# KiCad board 75he.kicad_pcb (continued)
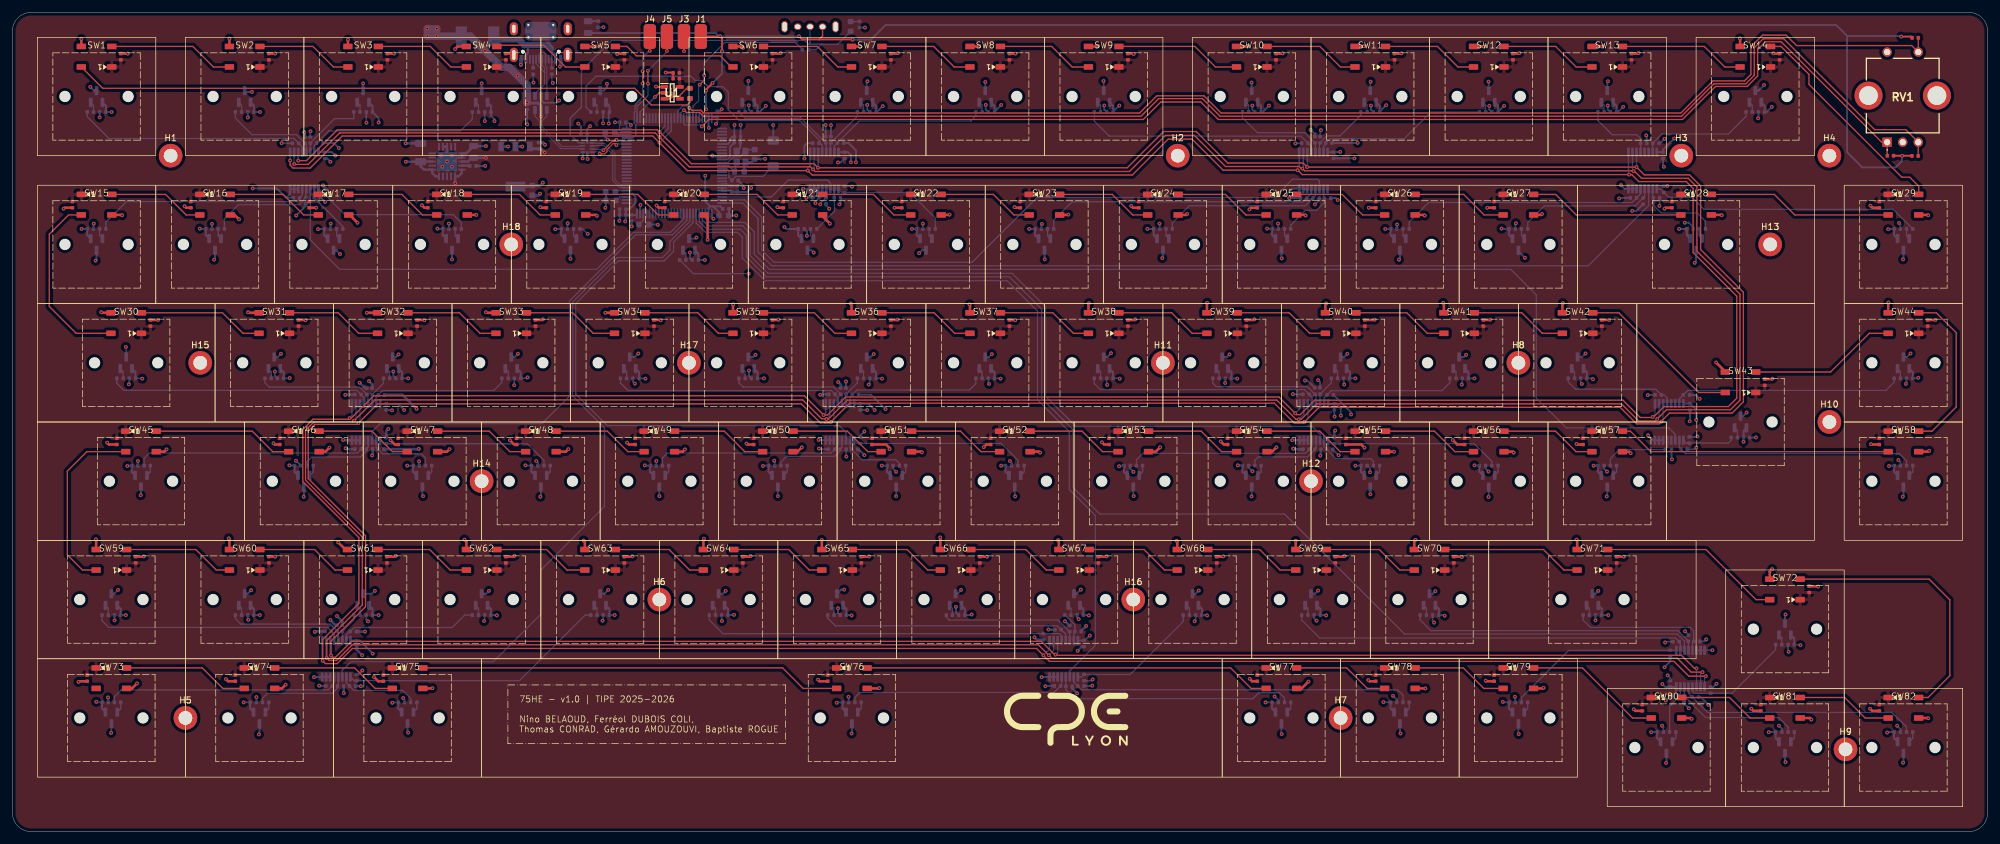
[diagram p0: board, top side]
## Routing (per net, layer and track width the routed paths; a pad name or vN(x,y) marks a point on that pad's centre or on a via; arc(x,y) is an arc through that point) (continued)
K20_OUT: length 32.4
  In2.Cu w0.2: v1(118.39,89.79) 121.02,89.79 125.2,93.96 125.2,95.91 129.89,100.6 v1(129.89,100.95)
  Bottom w0.2: v1(129.89,100.95) 129.89,101.09 C65.2 130.85,102.05 M1.4 ; v1(118.39,89.79) 109.48,89.79 R28.2
K21_OUT: length 7.6
  Bottom w0.2: M1.2 132.15,102.01 C66.2 132.15,99.81 R29.2
K22_OUT: length 19.3
  Bottom w0.2: R30.2 148.38,98.74 144.24,102.87 C67.2 133.39,102.87 M1.1
K23_OUT: length 45.4
  Bottom w0.2: R31.2 167.43,98.42 170.36,101.35 207.5,101.35 C68.2 208.84,102.68 M2.5 ; 208.92,103.57 208.92,103.56
K24_OUT: length 26.9
  Bottom w0.2: R32.2 186.48,97.95 189.24,100.71 207.88,100.71 C69.2 209.49,102.32 M2.4
K25_OUT: length 9.8
  Bottom w0.2: R33.2 205.53,97.59 207.93,99.99 209.68,99.99 210.95,101.26 C78.2 210.79,102.09 M2.2 ; 210.79,101.95 210.81,101.94
K26_OUT: length 41.3
  Bottom w0.2: 261.82,103.7 261.67,103.54 ; M3.5 261.78,102.63 C79.2 260.38,101.24 227.7,101.24 224.58,98.12 R34.2
K27_OUT: length 22.8
  Bottom w0.2: M3.4 262.43,102.22 C80.2 260.9,100.69 246.3,100.69 243.62,98.02 R35.2
K28_OUT: length 13.4
  Bottom w0.2: R36.2 272.2,98.22 270.87,99.56 265.09,99.56 263.84,100.81 C81.2 263.73,102.11 M3.2
K29_OUT: length 43.9
  Bottom w0.2: 264.3,103.57 264.3,103.56 ; R37.2 302.38,100.14 271.97,100.14 270.03,102.09 266.25,102.09 265.5,102.85 C82.2 264.9,103.46 M3.1
K30_OUT: length 42.5
  Bottom w0.2: R38.2 16.79,72.13 17.92,71 55.39,71 C83.2 56.06,70.3 56.53,69.84 56.53,68.85
K31_OUT: length 19.5
  Bottom w0.2: R39.2 40.6,72.23 41.3,71.53 55.84,71.53 56.97,70.39 C84.2 57.18,70.12 57.18,68.85
K32_OUT: length 4.8
  Bottom w0.2: R40.2 59.65,72.14 C85.2 57.83,70.32 57.83,68.85
K33_OUT: length 22.9
  Bottom w0.2: 58.48,68.85 58.48,69.93 C94.2 59.54,70.99 77.39,70.99 78.7,72.29 R41.2
K34_OUT: length 38
  Bottom w0.2: 132.72,68.85 132.72,69.87 132.27,70.32 C95.2 131.66,70.98 98.97,70.98 97.75,72.2 R42.2 ; 132.83,68.61 132.59,68.84
K35_OUT: length 19.5
  Bottom w0.2: 133.37,68.85 133.37,70.16 C96.2 133.15,70.44 132.05,71.54 117.48,71.54 116.8,72.22 R43.2
K36_OUT: length 4.8
  Bottom w0.2: R44.2 135.85,72.2 C97.2 134.03,68.86 134.02,68.85
K37_OUT: length 23.1
  Bottom w0.2: 134.67,68.85 134.67,69.94 C98.2 135.79,71.06 153.87,71.06 154.9,72.09 R45.2
K38_OUT: length 37.8
  Bottom w0.2: 208.94,68.85 208.94,69.91 C99.2 207.73,71.13 174.91,71.13 173.95,72.08 R46.2
K39_OUT: length 19.5
  Bottom w0.2: R47.2 193,72.14 193.54,71.61 208.19,71.61 C100.2 209.59,70.2 209.59,68.85
K40_OUT: length 4.8
  Bottom w0.2: R48.2 212.05,72.21 C101.2 210.24,68.85 210.24,68.85
K41_OUT: length 22.9
  Bottom w0.2: 210.89,68.85 210.89,69.79 C110.2 212.05,70.95 229.84,70.95 231.1,72.21 R49.2
K42_OUT: length 18.5
  Bottom w0.2: R50.2 250.15,72.35 251.31,71.2 264.19,71.2 C111.2 265.53,70.28 266.05,69.76 266.05,68.85
K43_OUT: length 8.5
  Bottom w0.2: M4.1 269.1,62.52 C112.2 275.88,62.52 276.34,62.99 R51.2
K44_OUT: length 37.1
  Bottom w0.2: R52.2 302.54,72.32 301.21,70.99 269.35,70.99 C113.2 268,69.64 268,68.85
K45_OUT: length 38.5
  Bottom w0.2: 56.06,61.65 56.53,62.12 M10.5 ; 56.06,61.65 C114.2 55.42,60.92 22.04,60.92 21.17,60.04 R53.2 ; 56.06,61.65 56.06,61.55 ; 56.62,63.11 56.62,63.05
K46_OUT: length 12.7
  Bottom w0.2: M10.4 57.18,61.83 C115.2 56.91,61.25 55.92,60.27 48.08,60.27 47.36,59.54 R54.2
K47_OUT: length 11
  Bottom w0.2: R55.2 66.41,60.1 65.71,60.8 59.49,60.8 C116.2 58.48,61.81 M10.2
K48_OUT: length 28.5
  Bottom w0.2: 59.13,62.97 59.71,62.4 C117.2 82.8,62.4 85.46,59.74 R56.2
K49_OUT: length 31.2
  Bottom w0.2: R57.2 104.51,60.12 105.3,60.91 131.58,60.91 C126.2 132.2,61.61 132.72,62.14 M8.5
K50_OUT: length 12.7
  Bottom w0.2: R58.2 123.56,59.48 124.48,60.4 132.22,60.4 133.05,61.22 C127.2 133.37,61.85 M8.4
K51_OUT: length 10.6
  Bottom w0.2: M8.2 134.67,61.75 C128.2 136.59,59.84 142.03,59.84 142.61,59.25 R59.2
K52_OUT: length 28.6
  Bottom w0.2: R60.2 161.66,59.77 158.96,62.47 C129.2 135.82,62.47 M8.1
K53_OUT: length 31.1
  Bottom w0.2: M5.5 208.94,62.02 208.49,61.57 C130.2 207.85,60.88 181.78,60.88 180.71,59.81 R61.2
K54_OUT: length 12.8
  Bottom w0.2: M5.4 209.59,61.73 C131.2 209.38,61.46 208.21,60.3 200.33,60.3 199.76,59.73 R62.2
K55_OUT: length 10.6
  Bottom w0.2: R63.2 218.81,59.59 218.42,59.99 212.83,59.99 C132.2 210.89,61.92 M5.2
K56_OUT: length 28.4
  Bottom w0.2: M5.1 212.09,62.42 C133.2 235.02,62.42 237.86,59.58 R64.2
K57_OUT: length 12.2
  Bottom w0.2: R65.2 256.91,60.01 258.38,61.48 C142.2 266.05,61.79 M4.5
K58_OUT: length 39.4
  Bottom w0.2: M4.2 268,61.8 C143.2 268.99,60.81 303.38,60.81 304.54,59.64 R66.2
K59_OUT: length 40.2
  Bottom w0.2: M9.12 51.74,31.73 51.27,32.19 C144.2 51.27,32.26 50.68,32.85 15.49,32.85 14.4,33.94 14.4,34.84 R67.2 ; 51.33,32.14 51.33,32.21
K60_OUT: length 19.4
  Bottom w0.2: R68.2 35.84,34.27 36.72,33.39 51.08,33.39 52.19,32.27 C145.2 52.39,32.01 M9.13
K61_OUT: length 4.9
  Bottom w0.2: M9.14 53.04,32.2 C146.2 54.89,34.05 R69.2
K62_OUT: length 22.5
  Bottom w0.2: R70.2 72.69,34.84 70.7,32.84 54.96,32.84 C147.2 54.19,32.19 53.69,31.69 M9.15
K63_OUT: length 43.3
  Bottom w0.2: M9.1 54.93,24.29 C148.2 81.52,24.29 92.06,34.84 R71.2
K64_OUT: length 59.3
  Bottom w0.2: R72.2 112.04,34.05 114.23,31.86 C149.2 168.35,31.86 168.7,31.5 M7.12
K65_OUT: length 40.8
  Bottom w0.2: M7.13 169.35,31.75 C158.2 167.99,33.11 132.31,33.11 131.09,34.33 R73.2
K66_OUT: length 22.7
  Bottom w0.2: 169.83,32.2 170,32.02 M7.14 ; R74.2 150.14,34.49 150.59,34.05 168.11,34.05 C159.2
K67_OUT: length 5
  Bottom w0.2: 169.27,34.84 R75.2 169.25,34.84 170.83,33.26 C160.2 170.65,32.02 M7.15 170.69,30.79
K68_OUT: length 21.7
  Bottom w0.2: R76.2 188.24,33.81 179.7,25.28 172.26,25.28 171.85,24.87 M7.1
K69_OUT: length 64.4
  Bottom w0.2: 207.28,34.82 R77.2 207.29,34.05 210.17,31.16 267.37,31.16 C162.2 268.17,30.36 M6.2
K70_OUT: length 46.8
  Bottom w0.2: M6.4 269.47,30.59 C163.2 269.44,30.68 267.79,32.34 228.05,32.34 226.34,34.05 R78.2
K71_OUT: length 22.5
  Bottom w0.2: M6.5 270.12,30.43 C164.2 270.31,32.32 269.76,32.86 253.72,32.86 252.53,34.05 R79.2
K72_OUT: length 17.9
  Bottom w0.2: R80.2 283.49,29.28 276.47,22.27 C165.2 273.03,22.25 270.41,22.25 270.12,22.54 M6.12
K73_OUT: length 38.2
  Bottom w0.2: R81.2 16.41,21.71 17.5,22.8 50.77,22.8 C168.2 51.41,23.6 51.74,23.94 M9.5 ; 51.82,25 51.83,24.99
K74_OUT: length 15.2
  Bottom w0.2: M9.4 52.39,23.53 C169.2 52.27,23.12 51.39,22.25 41,22.25 40.22,21.46 R82.2
K75_OUT: length 13
  Bottom w0.2: M9.2 53.69,23.92 C178.2 54.9,22.71 62.73,22.71 64.03,21.41 R83.2
K76_OUT: length 36.2
  Bottom w0.2: 168.75,25.1 168.68,25.17 ; M7.5 168.7,23.61 C179.2 167.47,22.39 136.28,22.39 135.47,21.58 R84.2
K77_OUT: length 39.3
  Bottom w0.2: 169.35,23.46 169.39,23.43 ; R85.2 204.53,21.49 203.69,22.33 200.37,22.33 199.43,21.39 170.83,21.39 169.39,22.83 C180.2 169.35,23.41 M7.4
K78_OUT: length 55.8
  Bottom w0.2: M7.2 170.65,24.07 C181.2 171.9,22.82 222.71,22.82 223.58,21.96 R86.2
K79_OUT: length 28.8
  Bottom w0.2: 267.52,29.36 267.51,29.35 ; R87.2 242.62,21.58 250.22,29.17 C182.2 266.55,29.17 M6.1
K80_OUT: length 8
  Bottom w0.2: M6.15 268.17,22.2 C183.2 267.82,21.54 266.44,20.16 R88.2
K81_OUT: length 21.1
  Bottom w0.2: M6.14 268.82,21.93 C184.2 272.23,18.35 283.95,18.35 285.49,16.81 R89.2
K82_OUT: length 39.1
  Bottom w0.2: R90.2 304.54,16.81 302.18,19.18 272.55,19.18 C185.2 269.47,22.25 M6.13
LED_DATA: length 6.2
  Top w0.2: U1.2 103.98,118.89 v1(103.3,118.21)
  Bottom w0.2: U2.77 100.92,115.84 v1(103.3,118.21)
LED_DATA_5V: length 2.6
  Top w0.2: R92.1 108.42,119.61 107.33,118.51 U1.4
M1_OUT: length 19.6
  Bottom w0.2: M1.3 131.5,104.39 131.05,104.84 124.73,104.84 122.02,102.14 U2.23
M2_OUT: length 110.2
  Bottom w0.2: M2.3 210.14,104.72 209.9,104.97 205.8,104.97 202.88,102.05 164.74,102.05 154.33,91.64 122.42,91.64 120.48,93.58 120.48,98.88 117.73,101.64 U2.24
M3_OUT: length 163
  Bottom w0.2: M3.3 263.08,100.76 253.38,91.06 122.09,91.06 119.89,93.27 119.89,98.67 117.42,101.14 U2.25
M4_OUT: length 183.9
  Bottom w0.2: M4.3 267.35,63.91 266.29,64.97 249.82,64.97 245,69.79 245,86.37 240.91,90.47 121.7,90.47 119.27,92.9 119.27,96.52 117.74,98.04 112.02,98.04 111.42,98.63 U2.28
M5_OUT: length 126.2
  Bottom w0.2: U2.29 110.92,98.44 111.89,97.48 117.42,97.48 118.62,96.28 118.62,92.65 121.43,89.84 160.74,89.84 166.12,84.46 166.12,70.07 170.96,65.23 208.97,65.23 210.24,63.95 M5.3
M6_OUT: length 205
  Bottom w0.2: U2.30 110.42,98.18 111.67,96.93 117.02,96.93 118.01,95.95 118.01,92.5 121.23,89.27 160.3,89.27 165.48,84.09 165.48,69.74 170.55,64.67 170.55,55.37 174.8,51.12 204.51,51.12 223.84,31.79 267.68,31.79 268.82,30.65 M6.3
M7_OUT: length 128.7
  Bottom w0.2: M7.3 170,25.86 174.11,29.97 174.11,50.87 169.92,55.06 169.92,64.36 164.81,69.47 164.81,83.76 159.92,88.65 120.99,88.65 117.34,92.3 117.34,95.66 116.56,96.44 111.42,96.44 109.92,97.94 U2.31
M8_OUT: length 88.5
  Bottom w0.2: M8.3 134.02,64.24 132.93,65.34 95.62,65.34 90.56,70.4 90.56,84.99 97.41,91.84 104.77,91.84 106.3,93.36 106.3,94.86 109.42,97.99 U2.32
M9_OUT: length 119.7
  Bottom w0.2: 108.87,99.46 U2.33 108.92,98.19 105.73,94.99 105.73,93.59 104.52,92.39 97.24,92.39 90.08,85.22 90.08,70.09 95.19,64.98 95.19,52.32 84.92,42.06 84.92,34.94 77.33,27.34 54.41,27.34 53.04,25.97 M9.3
M10_OUT: length 76.2
  Bottom w0.2: U2.34 108.42,98.34 106.12,96.04 100.19,96.04 89.56,85.41 89.56,70.08 85.12,65.64 59.11,65.64 57.83,64.35 M10.3
M11_OUT: length 74.5
  Bottom w0.2: U2.35 107.92,98.54 105.83,96.44 99.88,96.44 93.92,90.49 52.61,90.49 47.9,95.2 M11.3
M_SEL_0: length 810.9
  Top w0.2: v1(208.16,106.95) 208.18,106.93 261.1,106.93 v1(261.11,106.94) 262.36,105.69 269.63,105.69 271.43,103.9 271.43,93.67 278.31,86.79 278.31,69.17 276.49,67.35 266.43,67.35 265.13,66.05 v1(265.13,65.97) 264.76,65.61 261.16,65.61 258.49,68.28 210.09,68.28 207.75,65.94 v1(207.73,65.94) 207.53,65.74 206.09,65.74 202.9,68.94 134.62,68.94 131.62,65.95 v1(131.62,65.94) 131.48,65.79 131.12,65.79 131.11,65.78 130.62,65.78 130.62,65.79 129.89,65.79 126.83,68.84 58.72,68.84 v1(55.62,65.74) 55.42,65.54 48.62,65.54 47.55,64.47 47.55,56.82 56.77,47.6 56.77,36.19 51.22,30.64 v1(51.22,28.34) 51.52,28.04 51.92,28.04 54.49,30.61 165.44,30.61 167.56,28.48 v1(167.72,28.48) 167.83,28.37 268.34,28.37 270.44,26.26 v1(270.77,26.26) ; v1(208.16,106.95) 207.98,106.95 ; v1(208.16,106.95) 207.51,107.6 195.39,107.6 190.33,112.66 185.08,112.66 179.25,106.83 v1(129.51,106.83) ; v1(129.51,106.83) 129.61,106.92 ; v1(129.51,106.83) 128.86,107.48 109.18,107.48 104.1,112.56 v1(104.05,112.56) 103.68,112.94 52.23,112.94 47.27,107.98 v1(45.95,107.98)
  Bottom w0.2: U2.85 104.92,113.54 104.05,112.66 v1(104.05,112.56) ; 208.19,109.33 208.19,106.98 v1(208.16,106.95) ; v1(131.62,65.94) 132.07,66.38 132.07,68.85 ; v1(167.72,28.48) 167.72,28.6 167.67,28.64 ; v1(167.72,28.48) 168.05,28.81 M7.11 ; v1(167.72,28.48) 167.67,28.52 ; 208.29,68.85 208.29,66.5 v1(207.73,65.94) ; M3.11 261.13,106.95 v1(261.11,106.94) ; v1(270.77,26.26) M6.11 ; 129.42,106.92 v1(129.51,106.83) 129.55,106.86 M1.11 ; v1(51.22,28.34) 51.09,28.47 M9.11 ; v1(55.62,65.74) 55.88,65.99 55.88,68.85 ; v1(45.95,107.98) M11.11 ; 55.77,68.52 55.77,68.54 ; 265.4,68.85 265.4,66.24 v1(265.13,65.97) 265.12,65.98
M_SEL_1: length 813.9
  Top w0.2: v1(45.3,107.44) 45.37,107.37 47.55,107.37 52.62,112.44 103.34,112.44 v1(104.05,111.73) 108.81,106.97 128.32,106.97 v1(128.71,106.57) 128.72,106.58 128.72,106.56 129.06,106.23 179.59,106.23 185.4,112.04 190.03,112.04 195.04,107.03 206.89,107.03 207.22,106.7 v1(207.4,106.7) 207.76,106.34 260.43,106.34 260.47,106.29 v1(260.65,106.29) 260.77,106.29 261.93,105.14 269.44,105.14 270.82,103.75 270.82,93.42 277.75,86.49 277.75,69.44 276.2,67.89 265.94,67.89 v1(264.45,66.4) 264.12,66.07 261.47,66.07 258.69,68.84 209.7,68.84 207.2,66.34 v1(206.81,66.34) 206.38,66.34 203.28,69.44 134.26,69.44 131.19,66.37 v1(130.87,66.37) 130.74,66.5 130.67,66.44 130.11,66.44 127.07,69.47 58.28,69.47 54.94,66.14 v1(54.92,66.14) 54.72,65.94 48.49,65.94 47.12,64.57 47.12,56.54 56.25,47.41 56.25,36.47 50.54,30.75 v1(50.54,27.93) 50.93,27.54 52.12,27.54 54.64,30.06 164.95,30.06 167.12,27.89 267.68,27.89 269.9,25.66 v1(271.74,25.66)
  Bottom w0.2: v1(271.74,25.66) 271.42,25.34 M6.10 ; M1.10 128.9,106.76 v1(128.71,106.57) 128.66,106.63 ; v1(207.4,106.7) 207.54,106.84 M2.10 ; v1(50.54,27.93) 50.44,28.02 M9.10 ; 166.78,28.38 v1(166.64,28.38) 167.4,29.14 M7.10 ; 55.23,68.85 55.23,66.44 v1(54.92,66.14) ; v1(260.65,106.29) 260.48,106.46 M3.10 ; 207.64,68.85 207.64,67.16 v1(206.81,66.34) ; v1(104.05,111.73) 104.46,112.14 104.47,112.14 105.42,113.1 U2.86 ; v1(130.87,66.37) 131.42,66.92 131.42,68.85 ; 264.75,68.85 264.75,66.7 v1(264.45,66.4) ; v1(45.3,107.44) M11.10
M_SEL_2: length 815.3
  Top w0.2: 127.74,106.51 127.74,106.23 v1(127.87,106.37) ; v1(272.26,25.01) 269.53,25.01 267.15,27.39 166.73,27.39 164.65,29.47 54.66,29.47 52.22,27.04 50.31,27.04 v1(49.88,27.47) ; v1(127.87,106.37) 108.52,106.37 v1(104.02,110.87) 102.95,111.94 53.02,111.94 47.86,106.78 45.14,106.78 45.07,106.85 45.05,106.85 44.71,107.19 44.71,107.21 44.65,107.27 v1(44.65,108.01) ; v1(127.87,106.37) 128.58,105.67 180.06,105.67 185.81,111.43 189.67,111.43 194.66,106.44 v1(206.64,106.44) 206.68,106.44 207.39,105.73 v1(259.94,105.73) 260.35,105.73 261.47,104.61 269.12,104.61 270.23,103.5 270.23,93.18 277.25,86.16 277.25,69.75 275.9,68.4 265.54,68.4 263.88,66.74 v1(263.73,66.74) 263.62,66.64 261.73,66.64 258.94,69.42 209.38,69.42 207.06,67.1 206.45,67.1 v1(206.24,67.31) 206.24,67.32 203.62,69.94 133.96,69.94 131.06,67.04 v1(130.43,67.04) 127.33,70.14 58.08,70.14 54.47,66.54 v1(54.22,66.54) 54.05,66.36 48.33,66.36 46.69,64.72 46.69,56.33 55.69,47.32 55.69,36.73 49.88,30.92 v1(49.88,27.47) ; 49.94,27.53 v1(49.88,27.47)
  Bottom w0.2: v1(44.65,108.01) M11.9 ; v1(49.88,27.47) 49.79,27.56 M9.9 ; v1(130.43,67.04) 130.77,67.38 130.77,68.85 ; M2.9 206.89,107.27 206.64,107.02 v1(206.64,106.44) ; v1(127.87,106.37) 127.87,106.85 128.25,107.22 M1.9 ; v1(272.26,25.01) 272.07,24.81 M6.9 ; v1(165.76,28.36) 166.75,29.35 M7.9 ; U2.87 105.92,112.75 104.53,111.36 104.51,111.36 v1(104.02,110.87) ; 264.1,68.85 264.1,67.11 v1(263.73,66.74) ; 206.99,68.85 206.99,68.05 v1(206.24,67.31) ; 54.37,66.54 v1(54.22,66.54) 54.58,66.89 54.58,68.85 ; M3.9 259.83,105.83 v1(259.94,105.73)
SWCLK: length 15.1
  Top w0.2: v1(105.23,125.62) J5.1 ; v1(102.17,122.43) v1(102.17,120.36)
  Bottom w0.2: U2.76 100.42,116.69 102.17,118.44 v1(102.17,120.36) ; v1(105.23,125.62) 105.23,125.48 v1(102.17,122.43)
SWDIO: length 18.8
  Top w0.2: v1(101.33,120.39) v1(101.33,122.38) ; v1(102.47,125.63) J4.1
  Bottom w0.2: 102.47,125.64 102.42,125.59 ; v1(101.33,122.38) 101.33,124.61 102.34,125.63 v1(102.47,125.63) ; v1(101.33,120.39) 101.33,118.27 100.22,117.17 100.22,116.95 100.1,116.82 100.1,115.82 99.97,115.69 99.97,113.93 100.22,113.68 100.22,112.09 99.83,111.69 99.62,111.69 99.58,111.64 U2.72
USB_FS_D+: length 6.5
  Top w0.158: v1(97.1,111.29) 96.87,111.07 96.43,111.07 v1(95.01,109.65)
  Bottom w0.158: U3.3 93.68,109.84 93.75,109.76 94.58,109.76 94.69,109.65 v1(95.01,109.65) ; v1(97.1,111.29) 97.32,111.07 97.48,111.07 97.55,111.14 U2.71
USB_FS_D-: length 7
  Top w0.158: v1(94.44,109.08) 94.76,109.08 94.77,109.07 95.25,109.07 95.59,109.41 95.59,109.72 96.58,110.71 96.87,110.71 v1(97.1,110.49)
  Bottom w0.158: U2.70 97.55,110.64 97.48,110.71 97.32,110.71 v1(97.1,110.49) ; U3.4 93.68,109.34 93.75,109.41 94.43,109.41 94.44,109.39 v1(94.44,109.08)
USB_HS_D+: length 10.9
  Bottom w0.158: U2.57 98.1,104.14 98.03,104.07 97.75,104.07 96.88,104.94 96.88,109.11 95.23,110.76 93.75,110.76 93.68,110.84 U3.1
USB_HS_D-: length 10.9
  Bottom w0.158: U3.2 93.68,110.34 93.75,110.41 95.08,110.41 96.52,108.97 96.52,104.79 97.6,103.71 98.03,103.71 98.1,103.64 U2.56
Net-(D1-DIN): length 101.2
  Top w0.2: R92.2 108.92,117.38 108.48,116.94 102.72,116.94 100.05,119.62 14.51,119.62 D1.4
Net-(D1-DOUT): length 20.3
  Top w0.2: D2.4 32.31,123.05 29.01,126.35 D1.2
Net-(D2-DOUT): length 15.5
  Top w0.2: D2.2 48.31,126.35 51.61,123.05 D3.4
Net-(D3-DOUT): length 15.5
  Top w0.2: D3.2 67.18,126.35 70.48,123.05 D4.4
Net-(D4-DOUT): length 15.7
  Top w0.2: D4.2 77.9,126.34 77.9,126.36 78.08,126.55 85.41,126.55 88.91,123.05 D5.4
Net-(D5-DOUT): length 20.3
  Top w0.2: D5.2 98.81,126.35 100.33,124.84 113.79,124.84 115.57,123.05 D6.4
Net-(D6-DOUT): length 15.5
  Top w0.2: D6.2 129.41,126.35 132.71,123.05 D7.4
Net-(D7-DOUT): length 15.5
  Top w0.2: D8.4 151.41,123.05 148.11,126.35 D7.2
Net-(D8-DOUT): length 15.5
  Top w0.2: D9.4 170.38,123.05 167.08,126.35 D8.2
Net-(D10-DIN): length 20.3
  Top w0.2: D9.2 190.11,126.35 193.41,123.05 D10.4
Net-(D10-DOUT): length 15.5
  Top w0.2: D10.2 210.21,126.35 213.51,123.05 D11.4
Net-(D11-DOUT): length 15.5
  Top w0.2: D12.4 232.41,123.05 229.11,126.35 D11.2
Net-(D12-DOUT): length 15.5
  Top w0.2: D12.2 248.11,126.35 251.41,123.05 D13.4
Net-(D13-DOUT): length 20.3
  Top w0.2: D13.2 272.01,126.35 275.31,123.05 D14.4
Net-(D15-DIN): length 15.5
  Top w0.2: D15.4 24.63,102.54 27.93,99.24 D16.2
Net-(D16-DIN): length 15.5
  Top w0.2: D16.4 43.52,102.54 46.83,99.24 D17.2
Net-(D17-DIN): length 15.5
  Top w0.2: D17.4 62.62,102.54 65.92,99.24 D18.2
Net-(D18-DIN): length 15.5
  Top w0.2: D18.4 81.52,102.54 84.83,99.24 D19.2
Net-(D19-DIN): length 15.5
  Top w0.2: D20.2 103.83,99.24 100.52,102.54 D19.4
Net-(D20-DIN): length 15.5
  Top w0.2: D20.4 119.73,102.54 123.02,99.24 D21.2
Net-(D21-DIN): length 15.5
  Top w0.2: D22.2 141.73,99.24 138.43,102.54 D21.4
Net-(D22-DIN): length 15.5
  Top w0.2: D22.4 157.73,102.54 161.03,99.24 D23.2
Net-(D23-DIN): length 15.5
  Top w0.2: D24.2 180.12,99.24 176.83,102.54 D23.4
Net-(D24-DIN): length 15.5
  Top w0.2: D25.2 198.33,99.24 195.03,102.54 D24.4
Net-(D25-DIN): length 15.5
  Top w0.2: D26.2 217.09,99.24 213.79,102.54 D25.4
Net-(D26-DIN): length 15.5
  Top w0.2: D27.2 236.62,99.24 233.32,102.54 D26.4
Net-(D27-DIN): length 25
  Top w0.2: D28.2 251.43,99.24 248.12,102.54 D27.4
Net-(D28-DIN): length 29.8
  Top w0.2: D29.2 286.57,99.24 283.28,102.54 D28.4
Net-(D30-DOUT): length 20.3
  Top w0.2: D30.2 33.78,83.49 37.08,80.19 D31.4
Net-(D31-DOUT): length 15.5
  Top w0.2: D31.2 52.38,83.49 55.67,80.19 58.7,80.19
Net-(D32-DOUT): length 15.5
  Top w0.2: D33.4 75.17,80.19 71.88,83.49 D32.2
Net-(D33-DOUT): length 15.5
  Top w0.2: 82.65,83.49 90.08,83.49 93.38,80.19 D34.4
Net-(D34-DOUT): length 15.5
  Top w0.2: D34.2 110.2,83.49 113.49,80.19 D35.4
Net-(D35-DOUT): length 15.5
  Top w0.2: D35.2 128.94,83.49 132.24,80.19 D36.4
Net-(D36-DOUT): length 15.5
  Top w0.2: D36.2 148.2,83.49 151.5,80.19 D37.4
Net-(D37-DOUT): length 15.5
  Top w0.2: D37.2 167.28,83.49 170.58,80.19 D38.4
Net-(D38-DOUT): length 15.5
  Top w0.2: D38.2 186.38,83.49 189.68,80.19 D39.4
Net-(D39-DOUT): length 15.5
  Top w0.2: D40.4 208.58,80.19 205.28,83.49 D39.2
Net-(D40-DOUT): length 15.5
  Top w0.2: 230.15,80.19 227.48,80.19 224.18,83.49 D40.2
Net-(D41-DOUT): length 15.5
  Top w0.2: D41.2 242.68,83.49 245.98,80.19 D42.4
Net-(D42-DOUT): length 26.6
  Top w0.2: D42.2 258.28,83.49 271.1,70.66 D43.4
Net-(D43-DOUT): length 23.9
  Top w0.2: D43.2 292.32,73.96 298.55,80.19 D44.4
Net-(D45-DIN): length 22.7
  Top w0.2: D46.2 41.86,61.14 38.56,64.44 D45.4
Net-(D46-DIN): length 15.5
  Top w0.2: D46.4 57.8,64.44 61.09,61.14 D47.2
Net-(D47-DIN): length 15.5
  Top w0.2: D48.2 79.97,61.14 76.67,64.44 D47.4
Net-(D48-DIN): length 15.5
  Top w0.2: D49.2 98.94,61.14 95.64,64.44 D48.4
Net-(D49-DIN): length 15.5
  Top w0.2: D49.4 114.45,64.44 117.74,61.14 D50.2
Net-(D50-DIN): length 15.5
  Top w0.2: D51.2 137.54,61.14 134.24,64.44 D50.4
Net-(D51-DIN): length 15.5
  Top w0.2: D51.4 152.43,64.44 155.73,61.14 D52.2
Net-(D52-DIN): length 15.5
  Top w0.2: D53.2 175.28,61.14 171.98,64.44 D52.4
Net-(D53-DIN): length 15.5
  Top w0.2: D53.4 191.12,64.44 194.43,61.14 D54.2
Net-(D54-DIN): length 15.5
  Top w0.2: D54.4 210.19,64.44 213.49,61.14 D55.2
Net-(D55-DIN): length 15.5
  Top w0.2: D55.4 228.62,64.44 231.93,61.14 D56.2
Net-(D56-DIN): length 15.5
  Top w0.2: D57.2 251.4,61.14 248.1,64.44 D56.4
Net-(D57-DIN): length 44.1
  Top w0.2: D58.2 263.43,61.14 260.12,64.44 D57.4
Net-(D59-DOUT): length 17.9
  Top w0.2: D60.4 32.78,42.09 29.47,45.39 D59.2
Net-(D60-DOUT): length 15.5
  Top w0.2: D60.2 48.58,45.39 51.88,42.09 D61.4
Net-(D61-DOUT): length 15.6
  Top w0.2: D61.2 67.08,45.39 70.38,42.09 D62.4
Net-(D62-DOUT): length 15.5
  Top w0.2: D62.2 85.88,45.39 89.17,42.09 D63.4
Net-(D63-DOUT): length 15.5
  Top w0.2: D64.4 108.89,42.09 105.58,45.39 D63.2
Net-(D64-DOUT): length 15.5
  Top w0.2: D64.2 124.81,45.39 128.12,42.09 D65.4
Net-(D65-DOUT): length 15.5
  Top w0.2: D65.2 143.84,45.39 147.15,42.09 D66.4
Net-(D66-DOUT): length 15.5
  Top w0.2: D66.2 162.93,45.39 166.23,42.09 D67.4
Net-(D67-DOUT): length 15.5
  Top w0.2: D68.4 185.24,42.09 181.94,45.39 D67.2
Net-(D68-DOUT): length 15.5
  Top w0.2: D69.4 203.83,42.09 200.53,45.39 D68.2
Net-(D69-DOUT): length 15.5
  Top w0.2: D69.2 219.77,45.39 223.06,42.09 D70.4
Net-(D70-DOUT): length 22.7
  Top w0.2: D70.2 246.16,45.39 249.45,42.09 D71.4
Net-(D71-DOUT): length 29.4
  Top w0.2: D71.2 272.28,45.39 280.34,37.32 D72.4
Net-(D73-DIN): length 20.3
  Top w0.2: D74.2 33.83,23.04 30.53,26.34 D73.4
Net-(D74-DIN): length 20.3
  Top w0.2: D75.2 58.31,23.04 55.02,26.34 D74.4
Net-(D75-DIN): length 67.9
  Top w0.2: D76.2 127.12,23.04 123.83,26.34 D75.4
Net-(D76-DIN): length 65.5
  Top w0.2: D76.4 195.86,26.34 199.16,23.04 D77.2
Net-(D77-DIN): length 15.5
  Top w0.2: D77.4 214.53,26.34 217.83,23.04 D78.2
Net-(D78-DIN): length 15.5
  Top w0.2: D78.4 233.28,26.34 236.57,23.04 D79.2
Net-(D79-DIN): length 22.3
  Top w0.2: D79.4 252.43,26.34 260.49,18.27 D80.2
Net-(D80-DIN): length 15.5
  Top w0.2: D80.4 276.09,21.57 279.39,18.27 D81.2
Net-(D81-DIN): length 15.5
  Top w0.2: D81.4 294.59,21.57 297.89,18.27 D82.2
Net-(J2-CC1): length 1.4
  Bottom w0.2: J2.A5 83.7,122.91 R8.2
Net-(J2-CC2): length 1.4
  Bottom w0.2: J2.B5 86.7,122.91 R7.2
Net-(K1-OUT): length 1.7
  Bottom w0.2: K1.2 13.03,116.91 R9.1
Net-(K2-OUT): length 1.7
  Bottom w0.2: R10.1 36.84,116.91 K2.2
Net-(K3-OUT): length 1.7
  Bottom w0.2: K3.2 55.89,116.91 R11.1
Net-(K4-OUT): length 1.7
  Bottom w0.2: R12.1 74.94,116.91 K4.2
Net-(K5-OUT): length 1.7
  Bottom w0.2: K5.2 93.99,116.91 R13.1
Net-(K6-OUT): length 1.7
  Bottom w0.2: K6.2 117.8,116.91 R14.1
Net-(K7-OUT): length 1.7
  Bottom w0.2: K7.2 136.85,116.91 R15.1
Net-(K8-OUT): length 1.7
  Bottom w0.2: R16.1 155.9,116.91 K8.2
Net-(K9-OUT): length 1.7
  Bottom w0.2: R17.1 174.95,116.91 K9.2
Net-(K10-OUT): length 1.7
  Bottom w0.2: K10.2 198.76,116.91 R18.1
Net-(K11-OUT): length 1.7
  Bottom w0.2: R19.1 217.81,116.91 K11.2
Net-(K12-OUT): length 1.7
  Bottom w0.2: K12.2 236.86,116.91 R20.1
Net-(K13-OUT): length 1.7
  Bottom w0.2: R21.1 255.91,116.91 K13.2
Net-(K14-OUT): length 1.7
  Bottom w0.2: R22.1 279.73,116.91 K14.2
Net-(K15-OUT): length 1.7
  Bottom w0.2: K15.2 14.03,95.87 R23.1
Net-(K16-OUT): length 1.7
  Bottom w0.2: K16.2 33.08,95.87 R24.1
Net-(K17-OUT): length 1.7
  Bottom w0.2: K17.2 52.12,95.87 R25.1
Net-(K18-OUT): length 1.7
  Bottom w0.2: K18.2 71.17,95.87 R26.1
Net-(K19-OUT): length 1.7
  Bottom w0.2: R27.1 90.22,95.87 K19.2
Net-(K20-OUT): length 1.7
  Bottom w0.2: K20.2 108.27,93.1 R28.1
Net-(K21-OUT): length 1.7
  Bottom w0.2: K21.2 128.33,95.87 R29.1
Net-(K22-OUT): length 1.7
  Bottom w0.2: K22.2 147.38,95.87 R30.1
Net-(K23-OUT): length 1.7
  Bottom w0.2: K23.2 166.43,95.87 R31.1
Net-(K24-OUT): length 1.7
  Bottom w0.2: K24.2 185.48,95.87 R32.1
Net-(K25-OUT): length 1.7
  Bottom w0.2: R33.1 204.53,95.87 K25.2
Net-(K26-OUT): length 1.7
  Bottom w0.2: R34.1 223.58,95.87 K26.2
Net-(K27-OUT): length 1.7
  Bottom w0.2: K27.2 242.62,95.87 R35.1
Net-(K28-OUT): length 1.7
  Bottom w0.2: R36.1 271.2,95.87 K28.2
Net-(K29-OUT): length 1.7
  Bottom w0.2: R37.1 304.54,95.87 K29.2
Net-(K30-OUT): length 1.7
  Bottom w0.2: K30.2 17.79,74.05 R38.1
Net-(K31-OUT): length 1.7
  Bottom w0.2: R39.1 41.6,74.05 K31.2
Net-(K32-OUT): length 1.7
  Bottom w0.2: R40.1 60.65,74.05 60.2,74.5
Net-(K33-OUT): length 1.7
  Bottom w0.2: K33.2 79.7,74.05 R41.1
Net-(K34-OUT): length 1.7
  Bottom w0.2: R42.1 98.75,74.05 K34.2
Net-(K35-OUT): length 1.7
  Bottom w0.2: R43.1 117.8,74.05 K35.2
Net-(K36-OUT): length 1.7
  Bottom w0.2: R44.1 136.85,74.05 K36.2
Net-(K37-OUT): length 1.7
  Bottom w0.2: R45.1 155.9,74.05 K37.2
Net-(K38-OUT): length 1.7
  Bottom w0.2: R46.1 174.95,74.05 K38.2
Net-(K39-OUT): length 1.7
  Bottom w0.2: R47.1 194,74.05 K39.2
Net-(K40-OUT): length 1.7
  Bottom w0.2: R48.1 213.05,74.05 K40.2
Net-(K41-OUT): length 1.7
  Bottom w0.2: K41.2 232.1,74.05 R49.1
Net-(K42-OUT): length 1.7
  Bottom w0.2: K42.2 251.15,74.05 R50.1
Net-(K43-OUT): length 1.7
  Bottom w0.2: K43.2 277.34,64.52 R51.1
Net-(K44-OUT): length 1.7
  Bottom w0.2: K44.2 303.54,74.05 R52.1
Net-(K45-OUT): length 1.8
  Bottom w0.2: R53.1 22.17,57.87 K45.2
Net-(K46-OUT): length 1.8
  Bottom w0.2: R54.1 48.36,57.87 K46.2
Net-(K47-OUT): length 1.8
  Bottom w0.2: R55.1 67.41,57.87 K47.2
Net-(K48-OUT): length 1.8
  Bottom w0.2: K48.2 86.46,57.87 R56.1
Net-(K49-OUT): length 1.8
  Bottom w0.2: R57.1 105.51,57.87 K49.2
Net-(K50-OUT): length 1.8
  Bottom w0.2: K50.2 124.56,57.87 R58.1
Net-(K51-OUT): length 1.8
  Bottom w0.2: K51.2 143.61,57.87 R59.1
Net-(K52-OUT): length 1.8
  Bottom w0.2: R60.1 162.66,57.87 K52.2
Net-(K53-OUT): length 1.8
  Bottom w0.2: R61.1 181.71,57.87 K53.2
Net-(K54-OUT): length 1.8
  Bottom w0.2: R62.1 200.76,57.87 K54.2
Net-(K55-OUT): length 1.8
  Bottom w0.2: R63.1 219.81,57.87 K55.2
Net-(K56-OUT): length 1.8
  Bottom w0.2: K56.2 238.86,57.87 R64.1
Net-(K57-OUT): length 1.8
  Bottom w0.2: K57.2 257.91,57.87 R65.1
Net-(K58-OUT): length 1.8
  Bottom w0.2: K58.2 305.54,57.87 R66.1
Net-(K59-OUT): length 1.7
  Bottom w0.2: K59.2 15.41,35.95 R67.1
Net-(K60-OUT): length 1.7
  Bottom w0.2: K60.2 36.84,35.95 R68.1
Net-(K61-OUT): length 1.7
  Bottom w0.2: K61.2 55.89,35.95 R69.1
Net-(K62-OUT): length 1.7
  Bottom w0.2: R70.1 74.94,35.95 K62.2
Net-(K63-OUT): length 1.7
  Bottom w0.2: R71.1 93.99,35.95 K63.2
Net-(K64-OUT): length 1.7
  Bottom w0.2: R72.1 113.04,35.95 K64.2
Net-(K65-OUT): length 1.7
  Bottom w0.2: R73.1 132.09,35.95 K65.2
Net-(K66-OUT): length 1.7
  Bottom w0.2: R74.1 151.14,35.95 K66.2
Net-(K67-OUT): length 1.7
  Bottom w0.2: R75.1 170.19,35.95 K67.2
Net-(K68-OUT): length 1.7
  Bottom w0.2: R76.1 189.24,35.95 K68.2
Net-(K69-OUT): length 1.7
  Bottom w0.2: K69.2 208.29,35.95 R77.1
Net-(K70-OUT): length 1.7
  Bottom w0.2: R78.1 227.34,35.95 K70.2
Net-(K71-OUT): length 1.7
  Bottom w0.2: K71.2 253.53,35.95 R79.1
Net-(K72-OUT): length 1.7
  Bottom w0.2: K72.2 284.49,31.19 R80.1
Net-(K73-OUT): length 1.8
  Bottom w0.2: R81.1 17.41,19.77 K73.2
Net-(K74-OUT): length 1.8
  Bottom w0.2: R82.1 41.22,19.77 K74.2
Net-(K75-OUT): length 1.8
  Bottom w0.2: K75.2 65.03,19.77 R83.1
Net-(K76-OUT): length 1.8
  Bottom w0.2: K76.2 136.47,19.77 R84.1
Net-(K77-OUT): length 1.8
  Bottom w0.2: K77.2 205.53,19.77 R85.1
Net-(K78-OUT): length 1.8
  Bottom w0.2: R86.1 224.58,19.77 K78.2
Net-(K79-OUT): length 1.8
  Bottom w0.2: K79.2 243.62,19.77 R87.1
Net-(K80-OUT): length 1.8
  Bottom w0.2: K80.2 267.44,15.01 R88.1
Net-(K81-OUT): length 1.8
  Bottom w0.2: R89.1 286.49,15.01 K81.2
Net-(K82-OUT): length 1.8
  Bottom w0.2: K82.2 305.54,15.01 R90.1
Net-(LED1-Pad1): length 1.4
  Bottom w0.2: R2.1 136.16,130.36 LED1.1
Net-(LED2-Pad1): length 1.6
  Bottom w0.3: LED2.1 92.61,130.44 R91.1
Net-(U2-BOOT0): length 27.2
  Top w0.2: v1(110.49,120.2) 111.23,120.93 v1(111.23,121.73)
  Bottom w0.2: U2.94 109.42,116.74 110.33,117.64 110.33,120.03 v1(110.49,120.2) ; v1(111.23,121.73) 111.23,123.66 114.56,127 125.86,127 R1.2
Net-(U5-NR): length 1.4
  Bottom w0.4: 72.3,107.13 U5.14 73.48,107.18 C201.1

## Copper pours and planes (outline as drawn; the poured copper is in the pictures)
+3.3V on In3.Cu: 98.92,114.79 98.93,116.7 114.28,116.68 114.27,114.79 116.42,113.84 124.73,113.84 124.73,105.49 121.58,105.49 121.58,104.34 103.38,104.34 103.38,97.11 94.17,97.11 94.17,101.44 76.27,101.44 76.33,114.29 96.62,114.29 96.62,114.79
+3.3VA on In3.Cu: -8.22,136.84 352.88,138.24 355.53,-27.21 -13.57,-19.81 -7.47,138.19
+5V on Top: -23.9,151.11 362.4,150.26 365.3,-45.56 -30.25,-43.49 -23.85,151.16
GND on In1.Cu: -11.67,147.49 352.95,145.26 350.95,-25.79 -16.35,-17.74 -9.65,151.74
GND on In4.Cu: -15.86,146.66 -15.86,-11.34 332.41,-12.11 333.8,147.76 -18.33,144.04 -23.76,135.51

## Text on the board
F.Silkscreen: 75HE - v1.0 | TIPE 2025-2026 / Nino BELAOUD, Ferréol DUBOIS COLI, / Thomas CONRAD, Gérardo AMOUZOUVI, Baptiste ROGUE
